# KiCad board FrontEnd_5G.kicad_pcb (continued)
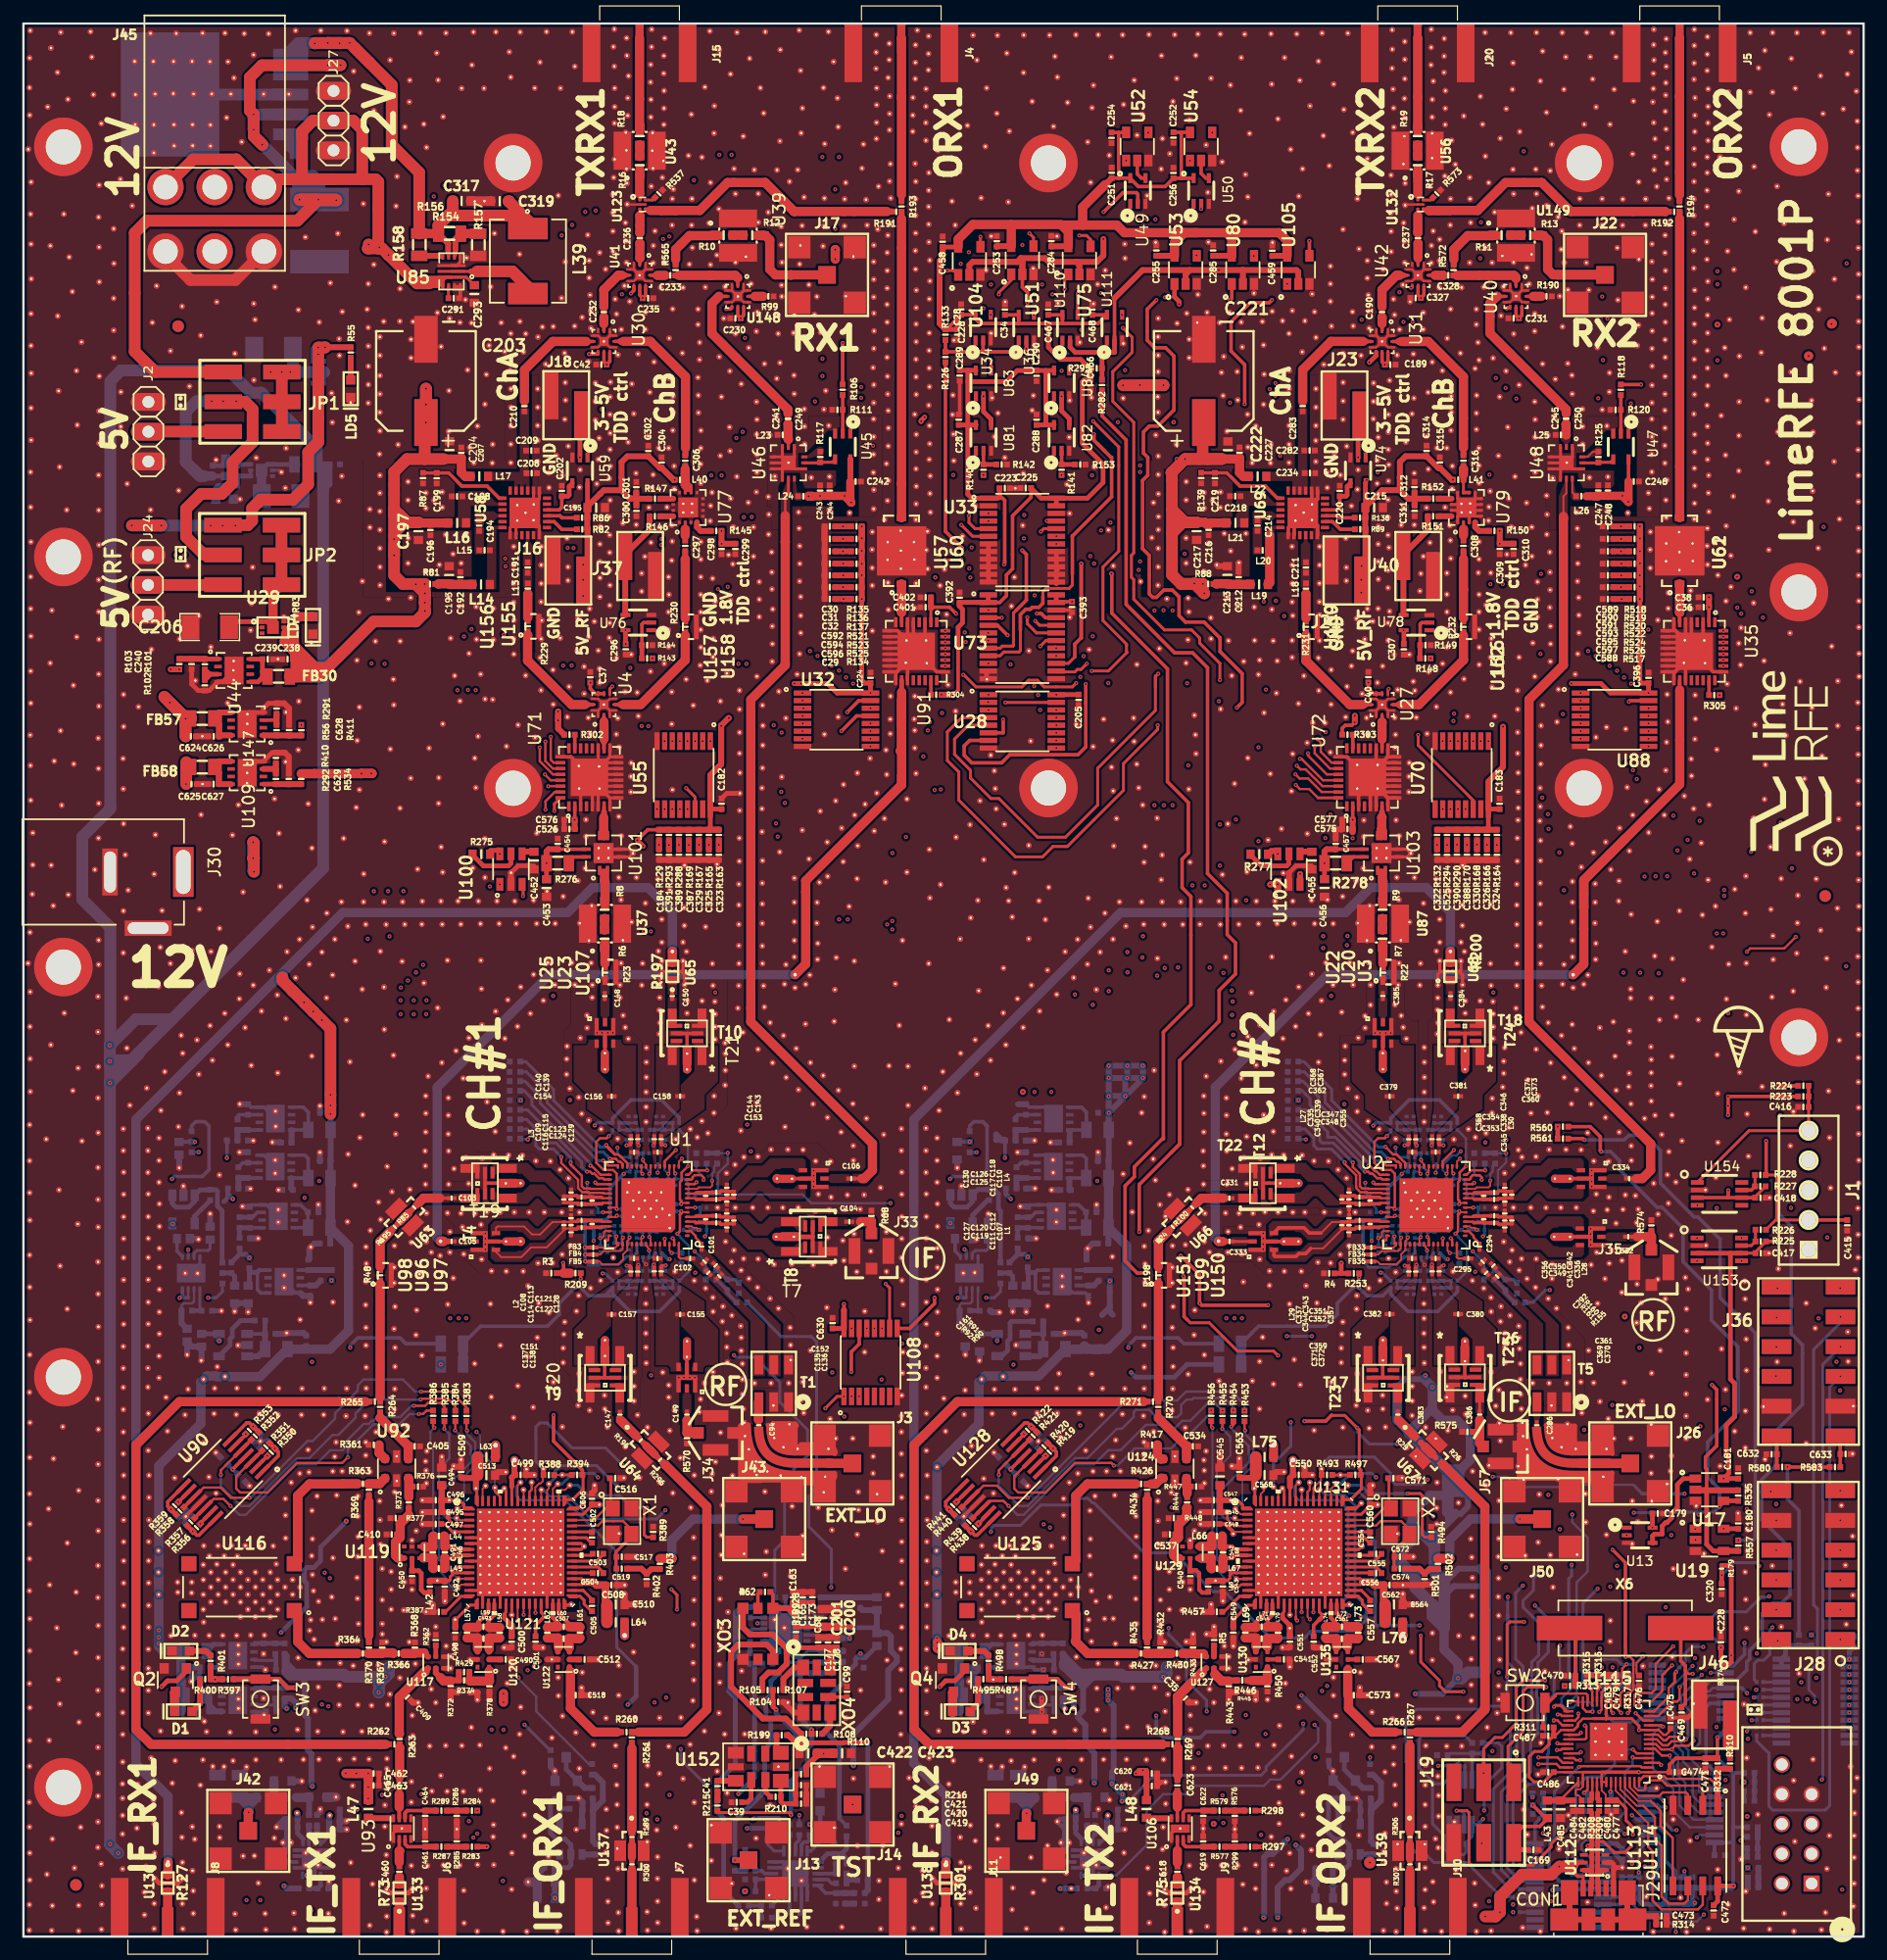
[diagram p0: board, top side]
## Routing (per net, layer and track width the routed paths; a pad name or vN(x,y) marks a point on that pad's centre or on a via; arc(x,y) is an arc through that point) (continued)
  F.RO w0.3: C461.1 32.81,7.67 32.59,7.89 U93.3
  F.RO w0.5: C461.1 R287.2
Net-(C464-Pad2): length 3.9
  F.RO w0.3: 32.77,10.75 32.59,10.57 ; 32.77,10.75 32.59,10.57 ; 32.77,10.75 C464.2 ; 32.59,10.57 U93.6 32.59,10.57
  F.RO w0.5: C464.2 R289.2
Net-(C465-Pad2): length 3.3
  F.RO w0.3: C465.2 32.09,12.14 ; 32.09,11.04 U93.7 32.09,11.04
  F.RO w0.79: 32.09,12.14 32.09,11.04
Net-(C470-Pad1): length 5.1
  F.RO w0.3: C470.1 132.51,25.84 X6.2
  F.RO w0.5: R313.2 C470.1
Net-(C473-Pad1): length 13.7
  F.RO w0.5: CON1.6 136.95,1.9 CON1.6 ; CON1.6 137.7,1.75 C473.1 R314.1 ; CON1.6 CON1.6 CON1.6 CON1.6 132.02,1.9 CON1.6
Net-(C484-Pad2): length 4.4
  F.RO w0.2: U115.43 131.25,11.68
  F.RO w0.25: 131.25,11.68 C485.2
  F.RO w0.5: C484.2 C485.2 L43.2
Net-(C488-Pad1): length 5.7
  B2.RO w0.3: 90.75,64.75 FB54.2 ; FB54.2 90.76,66.4 90.48,66.69 U140.5 ; FB54.2 90.75,64.74 U140.8 89.32,64.58 ; 89.32,63.71 89.32,63.71
  B2.RO w0.5: 89.32,63.71 89.32,63.71 89.32,64.58
Net-(C489-Pad1): length 5.6
  B2.RO w0.3: FB55.2 90.77,70.35 90.35,70.77 ; FB55.2 90.76,68.84 ; FB55.2 89.34,68.84 U142.8 89.33,68.68 ; 90.35,70.77 90.33,70.78 ; 90.35,70.77 89.35,70.77 U142.5 ; 89.33,67.87 89.33,67.86
  B2.RO w0.5: 89.33,67.86 89.33,67.87 89.33,68.68
Net-(C490-Pad1): length 1
  F.RO w0.5: U120.2 C490.1
Net-(C491-Pad1): length 2.9
  F.RO w0.35: C491.1 34.91,33.28 U119.4
  F.RO w0.79: L44.2 34.96,34.13 C491.1 34.31,33.24 34.24,33.31
Net-(C491-Pad2): length 2.9
  F.RO w0.35: C491.2 34.91,32.29 U119.3
  F.RO w0.79: L45.2 34.96,31.46 C491.2 34.19,32.34 34.16,32.31
Net-(C493-Pad1): length 2.2
  F.RO w0.5: 38.78,25.37 C493.1 ; U120.4 38.78,24.57
  F.RO w0.79: L57.2 38.77,25.49 C493.1 38.78,25.37 38.78,24.57
Net-(C493-Pad2): length 2.1
  F.RO w0.5: 39.77,25.39 C493.2 ; U120.3 39.77,24.54
  F.RO w0.79: L58.2 39.78,25.48 C493.2 39.77,25.39 39.77,24.54
Net-(C502-Pad1): length 1.7
  F.RO w0.25: C502.1 48.52,34.54 U121.44
Net-(C502-Pad2): length 1.9
  F.RO w0.25: C502.2 48.48,33.61 48.05,34.04 U121.43
Net-(C503-Pad1): length 1.8
  F.RO w0.25: C503.1 48.48,32.54 U121.40
Net-(C503-Pad2): length 3
  F.RO w0.25: C503.2 49.51,32.61 48.94,32.04 U121.39
Net-(C504-Pad1): length 2.9
  F.RO w0.25: C504.1 49.51,31.09 49.06,31.54 U121.38
Net-(C504-Pad2): length 1.8
  F.RO w0.25: C504.2 48.59,31.04 U121.37
Net-(C505-Pad1): length 2.1
  F.RO w0.25: C505.1 48.55,28.79 47.8,29.54 U121.34
Net-(C505-Pad2): length 2.4
  F.RO w0.25: C505.2 48.49,27.77 47.88,28.38 47.88,28.69 47.53,29.04 U121.33
Net-(C507-Pad1): length 2.9
  F.RO w0.5: C507.1 46.63,25.38 U122.3
  F.RO w0.79: L61.1 47.47,25.43 C507.1 46.58,24.71 46.62,24.67
Net-(C507-Pad2): length 2.8
  F.RO w0.5: C507.2 45.64,25.38 U122.4
  F.RO w0.79: 45.66,24.72 45.68,24.74 C507.2 45.63,25.48 L62.1
Net-(C508-Pad2): length 13
  F.RO w0.2: 47.9,33.3 47.9,33.28 ; 47.42,33.54 47.36,33.54
  F.RO w0.25: U121.35 47.7,30.04 47.91,30.25 47.91,30.29 47.66,30.54 U121.36 ; U121.41 47.62,33.04 47.87,33.29 47.62,33.54 47.36,33.54 ; U121.42 47.42,33.54
  F.RO w0.51: 49.7,29.95 C508.2 ; C510.2 49.7,28.47
  F.RO w0.65: 49.7,28.47 49.7,29.95 ; 47.91,30.25 48.68,30.25 48.93,30 C508.2
  F.RO w1: C510.2 L64.2
  F.FR4 w0.76: 47.91,33.31 47.91,30.26
Net-(C509-Pad2): length 28
  F.RO w0.2: 43.4,38.76 43.4,38.14 43.21,37.95 U121.55
  F.RO w0.25: 38.64,38.25 38.71,38.18 U121.64 ; U121.48 47.36,36.54 47.79,36.97 47.79,36.98 ; U121.59 41.21,38 41.06,38.15 41.06,38.25
  F.RO w0.51: 38.64,38.25 38.64,39.24 C513.2 38.53,39.13 37.44,39.13 C509.2
  F.RO w1: L63.2 C513.2
  F.FR4 w0.25: 43.4,38.76 43.4,37.01 43.38,36.99 41.68,36.99 41.06,37.61 41.06,38.25
  F.FR4 w0.4: 40.81,39.01 40.41,39.41 38.8,39.41 38.64,39.25 38.64,38.25
  F.FR4 w0.51: 40.81,39.01 41.06,38.76 41.06,37.61 41.68,36.99 43.38,36.99 ; 43.38,36.99 47.79,36.99 ; 43.38,36.99 43.38,38.75
Net-(C511-Pad1): length 2.4
  B2.RO w0.79: R395.1 21.39,11.88 R393.2 C511.1
Net-(C511-Pad2): length 2.6
  B2.RO w0.5: R396.1 C514.1
  B2.RO w0.79: C511.2 24.36,11.87 R396.1
Net-(C512-Pad2): length 0.8
  F.RO w0.5: U122.2 C512.2
Net-(C514-Pad2): length 1.5
  B2.RO w0.3: 24.38,9.47 C514.2 ; IC1.2 24.38,8.82
  B2.RO w0.5: C514.2 24.38,9.47 24.38,8.82
Net-(C515-Pad2): length 1.5
  B2.RO w0.3: 25.07,8.74 24.88,8.55 IC1.3
  B2.RO w0.5: C515.2 25.07,8.74
Net-(C516-Pad1): length 6.7
  F.RO w0.15: 50.15,36.33 50.15,37.39 ; U121.46 48.7,35.54
  F.RO w0.2: 48.7,35.54 49.71,36.55 X1.1
  F.RO w0.25: 50.15,37.39 50.15,39.05 C516.1
Net-(C517-Pad1): length 9.6
  F.RO w0.15: 49.06,35.08 46.88,35.08 U121.45
  F.RO w0.2: 49.06,35.08 49.43,35.45 51.21,35.45 51.92,34.74 X1.3
  F.RO w0.25: 50.58,31.38 50.58,32.35 C517.1 50.58,32.47 50.58,32.81 52.15,34.38
Net-(C524-Pad2): length 0.8
  B2.RO w0.3: IC1.14 23.22,6.38 C524.2
Net-(C535-Pad1): length 2.8
  B2.RO w0.3: U141.1 85.8,60.5 C535.1
  B2.RO w0.4: C535.1 R241.1 84.9,60.48 R365.1
Net-(C536-Pad2): length 8.2
  B2.RO w0.5: 115.07,10.49 115.07,8.13 R424.2 ; 115.07,10.49 C536.2 115.92,11.62 115.92,13.14 115.24,13.82 R452.2 ; 115.07,10.49 115.07,11.75 R449.2
Net-(C537-Pad1): length 9.4
  F.RO w0.25: C537.1 98.61,34.06 98.63,34.06 98.23,33.66 98.23,32.72 98.65,32.3 U129.1 ; R448.2 99.18,35.71 99.37,35.9 R444.1
  F.RO w0.79: 98.68,32.27 98.5,32.27 98.23,32.54 98.23,33.66 98.63,34.06 98.63,35.16 99.33,35.86 99.33,36.57 R444.1
Net-(C540-Pad1): length 4.3
  F.RO w0.35: L65.2 101.09,29.35 100.66,29.35 100.4,29.61 100.4,31.01 100.15,31.26 99.68,31.26 C540.1 U129.2
Net-(C541-Pad1): length 1
  F.RO w0.35: U130.2 C541.1
Net-(C542-Pad1): length 3.2
  F.RO w0.5: L66.2 101.41,34.13 C542.1 101.35,33.3 ; 100.29,33.28 100.3,33.3 100.51,33.3
  F.RO w0.79: L66.2 101.47,33.3 C542.1 101.35,33.3 100.51,33.3
Net-(C542-Pad2): length 2.3
  F.RO w0.5: 101.41,31.45 L67.2 ; U129.3 100.3,32.29 100.57,32.29 ; C542.2 101.36,32.29
  F.RO w0.79: L67.2 101.41,31.45 C542.2 101.36,32.29 100.57,32.29
Net-(C544-Pad1): length 2.2
  F.RO w0.5: 105.28,24.82 105.23,24.78 U130.4
  F.RO w0.79: 105.24,24.78 105.28,24.82 C544.1 105.22,25.49 L69.2
Net-(C544-Pad2): length 2.8
  F.RO w0.35: C544.2 106.23,25.38 U130.3
  F.RO w0.79: L70.2 107.08,25.43 C544.2 106.18,24.8 106.23,24.75
Net-(C553-Pad1): length 2.4
  B2.RO w0.79: R492.1 R491.2 C553.1
Net-(C553-Pad2): length 2.6
  B2.RO w0.4: 90.83,10.86 C558.1
  B2.RO w0.65: R496.1 90.83,10.86
  B2.RO w0.79: C553.2 90.8,11.87 R496.1
Net-(C554-Pad1): length 1.7
  F.RO w0.25: C554.1 114.97,34.54 U131.44
Net-(C554-Pad2): length 1.9
  F.RO w0.25: C554.2 114.92,33.61 114.49,34.04 U131.43
Net-(C555-Pad1): length 1.8
  F.RO w0.25: C555.1 114.94,32.54 U131.40
Net-(C555-Pad2): length 3
  F.RO w0.25: C555.2 115.96,32.62 115.38,32.04 U131.39
Net-(C556-Pad1): length 2.9
  F.RO w0.25: C556.1 115.96,31.09 115.51,31.54 U131.38
Net-(C556-Pad2): length 1.8
  F.RO w0.25: U131.37 115.04,31.04 C556.2
Net-(C557-Pad1): length 2.1
  F.RO w0.25: C557.1 115,28.79 114.25,29.54 U131.34
Net-(C557-Pad2): length 2.4
  F.RO w0.25: C557.2 114.94,27.77 114.33,28.38 114.33,28.69 113.98,29.04 U131.33
Net-(C558-Pad2): length 1.5
  B2.RO w0.3: 90.83,8.87 IC2.2
  B2.RO w0.5: C558.2 90.83,8.87
Net-(C559-Pad2): length 1.5
  B2.RO w0.3: 91.51,8.76 91.33,8.58 IC2.3
  B2.RO w0.5: C559.2 91.51,8.76
Net-(C561-Pad1): length 2.8
  F.RO w0.4: C561.1 113.08,25.36 U135.3
  F.RO w0.79: L73.1 113.91,25.42 C561.1 113.03,24.8 113.07,24.76
Net-(C561-Pad2): length 2.8
  F.RO w0.4: C561.2 112.1,25.38 U135.4
  F.RO w0.79: L74.1 111.26,25.42 C561.2 112.13,24.77 112.12,24.76
Net-(C562-Pad2): length 12.9
  F.RO w0.25: U131.41 113.29,33.03 114.02,33.03 114.29,33.3 114.05,33.54 U131.42 ; U131.35 114.15,30.04 114.38,30.27 114.38,30.28 114.12,30.54 U131.36
  F.RO w0.65: C564.2 116.15,28.47 116.15,29.95 C562.2 115.36,30 115.11,30.25 114.36,30.25
  F.RO w1: C564.2 L76.2
  F.FR4 w0.76: 114.36,30.25 114.37,30.26 114.37,33.3
Net-(C563-Pad2): length 22.4
  F.RO w0.2: 109.84,38.75 109.84,38.14 109.65,37.95 U131.55
  F.RO w0.25: 105.1,38.25 105.15,38.2 U131.64 ; 107.5,38.25 107.65,38.1 U131.59 ; 114.24,36.98 114.23,36.98 113.79,36.54 U131.48
  F.RO w0.51: 105.1,38.25 105.1,39.26 C568.2 104.98,39.14 103.89,39.14 C563.2
  F.RO w1: L75.2 C568.2
  F.FR4 w0.4: 107.5,38.25 107.5,38.76 107.24,39.02 105.35,39.02 105.1,38.77 105.1,38.25
  F.FR4 w0.51: 109.81,36.97 108.15,36.97 107.5,37.62 107.5,38.25 ; 109.81,36.97 109.81,36.94 109.82,36.95 109.82,38.73 109.84,38.75 ; 109.81,36.97 114.23,36.97 114.24,36.98
Net-(C567-Pad2): length 0.8
  F.RO w0.35: U135.2 C567.2
Net-(C571-Pad1): length 6.7
  F.RO w0.15: 116.6,36.35 116.6,37.39 ; U131.46 115.15,35.54
  F.RO w0.2: 115.15,35.54 116.16,36.55 X2.1
  F.RO w0.25: C571.1 116.6,39.05 116.6,37.39
Net-(C572-Pad1): length 9.6
  F.RO w0.15: 118.36,34.74 X2.3 ; U131.45 113.32,35.08 115.51,35.08
  F.RO w0.2: 115.51,35.08 115.88,35.45 117.65,35.45 118.36,34.74
  F.RO w0.25: C574.2 117.03,31.45 117.03,32.35 C572.1 117.03,32.47 117.03,32.81 118.6,34.38 118.6,34.39
Net-(C582-Pad2): length 0.8
  B2.RO w0.3: C582.2 IC2.14
Net-(C606-Pad1): length 2.7
  B2.RO w0.3: U140.1 85.62,64.74 C606.1 ; R243.1 84.82,64.74
  B2.RO w0.5: R404.1 R243.1 ; 84.82,64.74 C606.1
Net-(C607-Pad1): length 2.8
  B2.RO w0.3: U142.1 85.6,68.84 C607.1
  B2.RO w0.5: C607.1 R254.1 R409.1
Net-(C608-Pad1): length 2.6
  B2.RO w0.3: 84.09,56.63 R562.1
  B2.RO w0.4: R562.1 R412.1 84.48,56.35 C608.1
Net-(C610-Pad2): length 4.6
  B2.RO w0.2: R559.1 79.94,53.85 80.12,54.03 80.84,54.03 81.01,54.2 U144.6
  B2.RO w0.5: C610.2 79.94,52.34 R559.1
Net-(C611-Pad1): length 6
  B2.RO w0.3: 85.8,55.72 C611.1 ; U143.5 86.7,54.93 86.42,55.21 86.42,56.71 86.58,56.87 87.32,56.87 U143.8
  B2.RO w0.4: 86.42,56.68 85.9,56.68 85.8,56.58 ; 85.8,56.58 85.8,55.72 C611.1 ; 85.8,56.58 85.76,56.62 R556.1
Net-(C612-Pad1): length 5.9
  B2.RO w0.3: 85.53,51.43 C612.1 87.07,51.42 87.07,50.14 87.09,50.12
  B2.RO w0.5: 85.53,49.53 86.77,49.53 87.08,49.84 87.08,50.13 ; C612.1 R20.2
Net-(C613-Pad1): length 1.7
  B2.RO w0.3: U144.1 79.55,58.5 C613.1
Net-(C615-Pad1): length 2.7
  B2.RO w0.3: 90.08,56.88 C615.1
  B2.RO w0.5: C615.1 R566.1 91.83,56.89 R571.1
Net-(C616-Pad2): length 2.6
  B2.RO w0.25: C616.2 82.39,58.73 82.21,58.55 81.27,58.55 81.01,58.29 U144.3
Net-(C618-Pad1): length 2.3
  F.RO w0.3: C618.1 98.53,5.99 98.53,6.31 ; U106.2 98.53,7.33
  F.RO w0.79: 98.53,6.31 98.53,7.33
Net-(C619-Pad1): length 3.2
  F.RO w0.3: C619.1 99.25,7.67 99.03,7.89 U106.3
  F.RO w0.5: C619.1 R577.2
Net-(C622-Pad2): length 3.2
  F.RO w0.3: U106.6 99.03,10.57 99.21,10.75 C622.2
  F.RO w0.5: C622.2 R579.2
Net-(C623-Pad2): length 2.4
  F.RO w0.3: 98.53,12.18 C623.2 ; U106.7 98.53,11.05
  F.RO w0.79: 98.53,12.18 98.53,11.05
Net-(C626-Pad1): length 7.4
  F.RO w0.5: C626.1 16.7,103.47 FB57.2 ; C626.1 16.79,102.51 ; C626.1 16.79,102.51 ; C626.1 16.7,104.45 16.72,104.46 ; 16.79,102.51 U147.8 ; 16.72,104.46 FB57.2 ; 16.72,104.46 FB57.2 ; 16.72,104.46 U147.5
Net-(C627-Pad1): length 6.4
  F.RO w0.5: C627.1 16.69,99.35 FB58.2 16.71,100.3 ; C627.1 16.69,100.28 16.71,100.3 ; C627.1 16.69,98.35 U109.8 ; 16.71,100.3 U109.5
Net-(C628-Pad1): length 3.3
  F.RO w0.5: U147.1 20.48,102.51 R56.1 C628.1 22.69,102.5 23.73,102.5
Net-(C629-Pad1): length 3.2
  F.RO w0.4: R292.1 21.56,98.35 U109.1
  F.RO w0.5: R534.1 C629.1 R292.1
Net-(C632-Pad1): length 2.7
  F.RO w0.3: J36.6 149.73,42.69 R580.1
Net-(C633-Pad1): length 2.7
  F.RO w0.3: J36.12 155.14,42.7 R583.2
Net-(C634-Pad1): length 4.2
  B2.RO w0.4: R594.2 R595.2 C634.1 150.47,24.03 U38.24 U38.23
Net-(D1-Pad1): length 3
  F.RO w0.5: R400.1 15.08,19.89 D1.1
Net-(D1-Pad2): length 1.7
  F.RO w0.79: D1.2 12.9,20.82 Q2.3
Net-(D2-Pad1): length 2
  F.RO w0.5: R401.1 15.59,24.37 D2.1
Net-(D3-Pad1): length 3
  F.RO w0.5: D3.1 81.52,19.89 R495.1
Net-(D3-Pad2): length 1.8
  F.RO w0.79: Q4.3 79.34,20.81 79.34,19.12
Net-(D4-Pad1): length 1.9
  F.RO w0.5: D4.1 82.03,24.37 R498.1
Net-(IC1-Pad9): length 1.9
  B2.RO w0.4: R398.1 R399.2 25.38,4.37 IC1.9
Net-(IC2-Pad9): length 1.9
  B2.RO w0.4: R499.1 R500.2 91.83,4.38 IC2.9
Net-(J2-Pad2): length 6.4
  F.RO w1: JP1.5 10.68,128.44 J2.2
Net-(J4-Pad1): length 22.4
  F.RO w0.5: 74.96,157.01 74.98,156.99 R193.1
  F.RO w0.79: 74.96,157.01 74.98,156.99 74.98,156.9 ; 74.98,156.9 74.98,161.99 J4.1 ; 74.98,156.9 74.98,148.67
Net-(J5-Pad1): length 14.7
  F.RO w0.5: 141.41,149.37 R194.1
  F.RO w0.79: 141.41,156.99 141.42,157 ; 141.41,156.99 141.41,148.64 ; 141.41,156.99 141.41,161.99 J5.1
Net-(J6-Pad1): length 1.7
  F.RO w0.5: 32.1,1.28 32.09,1.27
  F.RO w0.79: 32.09,1.27 32.1,1.28 R73.2
Net-(J7-Pad1): length 4.3
  F.RO w0.79: 51.95,1.27 51.96,1.28 U137.3
Net-(J8-Pad1): length 2.6
  F.RO w0.79: R127.1 12.32,1.27
Net-(J9-Pad1): length 1.7
  F.RO w0.79: 98.53,1.27 R75.2
Net-(J10-Pad1): length 4.3
  F.RO w0.79: U139.3 118.39,1.27
Net-(J11-Pad1): length 2.6
  F.RO w0.79: R301.1 78.76,1.27
Net-(J15-Pad1): length 7.7
  F.RO w0.79: U43.3 52.61,154.32 J15.1
Net-(J17-Pad1): length 8.6
  F.RO w0.79: U148.3 63.37,145.16 63.73,144.8 63.73,142.29 64.21,141.81 65.53,141.81 65.53,141.79 65.55,141.81 J17.1
Net-(J20-Pad1): length 7.6
  F.RO w0.79: 119.05,157 119.06,157 119.06,156.96 ; 119.06,156.96 119.06,162 J20.1 ; 119.06,156.96 R19.1
Net-(J22-Pad1): length 16.9
  F.RO w0.79: 135.1,141.82 130.93,141.82 131.04,141.82 ; 135.12,141.83 135.11,141.82 131.04,141.82 ; 131.04,141.82 135.04,141.82 J22.1 ; 131.04,141.82 130.62,141.82 130.15,142.29 130.15,144.81 129.8,145.16 U149.3
Net-(J24-Pad2): length 6.4
  F.RO w1: JP2.5 17.02,115.35 J24.2
Net-(J37-Pad1): length 9.3
  F.RO w0.5: R146.2 53.47,120.05 51.39,117.97 J37.1 51.39,112.81 U76.4
Net-(J40-Pad1): length 9.3
  F.RO w0.5: 117.85,112.83 117.83,112.84 117.83,117.96 119.93,120.05 R151.2
Net-(J42-Pad1): length 8.1
  F.RO w0.79: 19.21,9.03 J42.1 19.2,10.57 v2(19.23,10.6)
  B2.RO w0.79: R392.1 18.49,11.87 R393.1 19.9,11.84 19.23,11.17 v2(19.23,10.6) 19.23,11.13 R392.1 ; R392.1 R390.1
Net-(J43-Pad1): length 11.3
  F.RO w0.79: 55.36,32.26 55.37,32.25 ; 55.36,32.26 55.37,32.25 ; 55.36,32.26 R403.1 ; 55.37,32.25 v2(55.37,32.25) ; J43.1 v2(61.43,35.63)
  B2.RO w0.79: v2(61.43,35.63) 57.16,35.63 55.37,33.84 v2(55.37,32.25)
Net-(J49-Pad1): length 7.5
  F.RO w0.79: v2(85.67,10.52) 85.64,10.49 J49.1 85.65,9.03
  B2.RO w0.79: 83.01,11.87 R458.1 R472.1 ; R472.1 84.94,11.87 R491.1 86.34,11.81 85.65,11.12 ; R472.1 85.65,11.16 85.65,11.12 ; 85.65,11.12 85.65,10.54 v2(85.67,10.52)
Net-(J50-Pad1): length 12.3
  F.RO w0.79: 121.77,32.25 121.8,32.25 120.8,32.25 R502.1 121.76,32.26 121.77,32.25 ; 121.77,32.25 v2(121.79,32.25) ; v2(127.77,35.64) 129.67,35.64 J50.1
  B2.RO w0.79: v2(127.77,35.64) 123.56,35.64 121.79,33.87 v2(121.79,32.25)
Net-(L19-Pad2): length 4.3
  F.RO w0.4: 106.26,115.4 L19.2
  F.RO w0.79: 106.42,119.61 106.42,115.55 L19.2
Net-(L26-Pad2): length 1.6
  F.RO w0.15: L26.2 132.26,123.25 U48.9
Net-(L39-Pad2): length 8.7
  F.RO w0.25: U85.2 38.23,142.11
  F.RO w0.5: 38.74,142.11 38.23,142.11
  F.RO w1: 38.74,142.11 41.75,142.11 ; 41.75,142.11 42.5,141.36 ; 41.75,142.11 42.5,141.36 ; L39.2 43.08,140.78 42.5,141.36
Net-(L44-Pad1): length 3.2
  F.RO w0.35: L46.1 36.04,33.3 36.74,33.3 37,33.04 U121.8
  F.RO w0.79: L44.1 35.98,34.13 L46.1
Net-(L45-Pad1): length 3.2
  F.RO w0.35: L46.2 36.03,32.29 36.75,32.29 37,32.54 U121.9
  F.RO w0.79: L45.1 35.98,31.48 L46.2
Net-(L47-Pad2): length 4.1
  F.RO w0.3: L47.2 29.5,10.09 U93.8
  F.RO w0.5: 31.34,10.09 31.34,10.1 29.5,10.1 L47.2
Net-(L48-Pad2): length 2.2
  F.RO w0.3: 95.86,10.09 95.84,10.12 ; U106.8 97.83,10.09
  F.RO w0.5: 95.84,10.12 95.86,10.09 97.83,10.09
Net-(L57-Pad1): length 3.3
  F.RO w0.35: U121.19 39.71,27.72 38.83,26.84 L59.1
  F.RO w0.79: L57.1 38.78,26.39 L59.1
Net-(L58-Pad1): length 3.1
  F.RO w0.35: U121.20 40.21,27.45 39.73,26.97 L59.2
  F.RO w0.79: L58.1 39.79,26.38 L59.2
Net-(L60-Pad1): length 3.3
  F.RO w0.35: L60.1 46.59,26.69 45.71,27.57 U121.31
  F.RO w0.79: L61.2 47.48,26.44 L60.1
Net-(L60-Pad2): length 3.1
  F.RO w0.35: L60.2 45.69,26.72 45.21,27.2 U121.30
  F.RO w0.79: L62.2 44.8,26.44 L60.2
Net-(L66-Pad1): length 4.2
  F.RO w0.25: 103.51,33.04 103.44,33.04 ; 102.48,33.29 L68.1
  F.RO w0.35: 103.44,33.04 103.19,33.29 102.48,33.29 ; U131.8 103.51,33.04
  F.RO w0.5: L66.1 102.43,34.13 L68.1
  F.RO w0.79: L68.1 102.37,33.3 L66.1
Net-(L67-Pad1): length 3.3
  F.RO w0.25: 102.48,32.29 L68.2
  F.RO w0.35: 102.48,32.29 103.19,32.29 103.44,32.54 U131.9
  F.RO w0.4: 102.48,32.29 L68.2
  F.RO w0.5: 102.43,31.45 L67.1
  F.RO w0.79: L67.1 102.43,31.45 L68.2
Net-(L69-Pad1): length 3.4
  F.RO w0.35: L71.1 105.21,26.51 105.21,26.79 106.15,27.73 U131.19
  F.RO w0.79: L71.1 105.23,26.39 L69.1
Net-(L70-Pad1): length 3.1
  F.RO w0.35: L71.2 106.24,26.5 106.24,27.06 106.65,27.47 U131.20
  F.RO w0.79: L70.1 107.07,26.44 L71.2
Net-(L72-Pad1): length 3.3
  F.RO w0.35: L72.1 113.04,26.69 112.15,27.58 U131.31
  F.RO w0.79: L73.2 113.93,26.44 L72.1
Net-(L72-Pad2): length 3.1
  F.RO w0.35: L72.2 112.02,26.56 112.02,26.82 111.65,27.19 U131.30
  F.RO w0.79: L74.2 111.24,26.44 L72.2
Net-(LD1-Pad1): length 2
  B2.RO w0.4: LD1.1 16.44,123.63 16.64,123.83 R51.2
Net-(LD4-Pad1): length 1.4
  F.RO w0.79: LD4.1 24.71,112.63 R83.2
Net-(LD5-Pad1): length 1.9
  F.RO w0.5: LD5.1 R55.2
Net-(LD6-Pad1): length 1.2
  B2.RO w0.4: R67.2 68.03,9.57 LD6.1
Net-(Q1-Pad1): length 4
  B2.RO w0.4: Q1.1 47.3,13.31 46.35,14.26 Q1.3
  B2.RO w0.5: Q1.1 47.92,12.68 R380.1
Net-(Q3-Pad1): length 4
  B2.RO w0.4: Q3.1 112.79,14.26 Q3.3
  B2.RO w0.5: R449.1 114.37,12.68 Q3.1
Net-(R2-Pad1): length 1.6
  F.RO w0.15: v2(55.36,58.34) 55.16,58.54 U1.54
  B2.RO w0.15: v2(55.36,58.34) 55.37,58.33 R2.1
Net-(R5-Pad2): length 1
  F.RO w0.5: R5.2 101.66,24.84 U127.5
Net-(R6-Pad1): length 1
  F.RO w0.79: R6.1 49.62,86.87 R8.2
Net-(R7-Pad1): length 1
  F.RO w0.79: R9.2 116.05,86.87 R7.1
Net-(R10-Pad1): length 0.9
  F.RO w0.79: R12.2 R10.1
Net-(R10-Pad2): length 6.7
  F.RO w0.4: 56.13,144.42 56.06,144.35
  F.RO w0.5: 56.06,144.35 55.69,143.98 R565.1
  F.RO w0.79: U148.1 56.87,145.16 55.69,143.98 55.69,143.14
Net-(R11-Pad1): length 0.9
  F.RO w0.79: R11.1 R13.2
Net-(R11-Pad2): length 7.3
  F.RO w0.4: 122.58,144.41 122.51,144.34
  F.RO w0.5: 122.51,144.34 122.14,143.97 122.14,142.66
  F.RO w0.79: 122.14,143.13 122.14,143.97 ; 122.14,143.97 122.58,144.41 ; 122.14,143.97 123.33,145.16 U149.1
Net-(R14-Pad1): length 5
  B2.RO w0.4: U16.4 17.65,50.48 17.65,51.01 17.83,51.19 17.83,51.86 18.54,52.57 R14.1
Net-(R15-Pad1): length 2.5
  B2.RO w0.4: 14.62,60.9 14.61,60.89 ; U9.4 14.62,61.48 15.94,62.8 R15.1
Net-(R15-Pad2): length 12
  B2.RO w0.4: 14.61,63.29 14.61,62.73 14.13,62.25 13.02,62.25 12.71,62.56 12.71,63.29 ; R38.2 16.97,57.54 16.97,61.94 16.57,62.34 16.57,63.61 16.44,63.74 R15.2 15.92,63.72 15.08,63.72 U9.3
Net-(R16-Pad1): length 1
  F.RO w0.79: R18.2 R16.1
Net-(R16-Pad2): length 2.2
  F.RO w0.25: 52.63,148.84 52.64,148.84 U123.1
  F.RO w0.79: 52.62,150.3 52.62,148.75 52.64,148.73
Net-(R17-Pad1): length 1
  F.RO w0.79: R19.2 R17.1
Net-(R17-Pad2): length 4.1
  F.RO w0.25: R17.2 U56.1 119.07,150.5 U132.1
  F.RO w0.79: R17.2 119.07,150.42 119.07,148.71
Net-(R20-Pad1): length 5.5
  B2.RO w0.4: R20.1 84.37,52.5 84.25,52.38 84.25,51.02 84.04,50.81 84.04,50.02 83.56,49.54 U145.4
Net-(R21-Pad1): length 2.6
  B2.RO w0.4: U146.4 81.05,61.56 82.34,62.85 R21.1
  B2.RO w0.5: 81.06,60.9 U146.4
Net-(R21-Pad2): length 12.1
  B2.RO w0.3: U146.3 81.08,63.32
  B2.RO w0.4: R563.2 83.43,61.93 83.26,62.1 83.26,63.4 82.91,63.75 R21.2 81.51,63.75 U146.3 81.05,62.72 80.58,62.25 79.46,62.25 79.15,62.56 U146.1
Net-(R22-Pad2): length 1.5
  F.RO w0.79: U87.1 116.08,84.53 U3.2
Net-(R23-Pad2): length 1.5
  F.RO w0.79: U37.1 49.66,84.53 U23.2
Net-(R25-Pad1): length 1.8
  F.RO w0.5: R25.1 119.33,42.14 119.68,41.78 ; R26.2 120.26,41.21
  F.RO w0.79: 119.68,41.78 120.26,41.21
Net-(R27-Pad2): length 3
  B2.RO w0.25: 21.55,19.77 19.76,19.77 19.69,19.84
  B2.RO w0.4: R27.2 21.51,19.96 21.55,19.92 21.55,19.28 R28.1
Net-(R29-Pad2): length 1.9
  B2.RO w0.3: U8.3 24.47,55.58 R30.1
  B2.RO w0.5: R30.1 24.97,55.57 R29.2
Net-(R31-Pad2): length 2.1
  B2.RO w0.3: R32.1 19.57,61.39 19.97,61.8 20.39,61.8
  B2.RO w0.4: R32.1 R31.2
Net-(R33-Pad2): length 2.2
  B2.RO w0.3: R33.2 18.28,69.99 18.42,70.13 R34.1 19.18,70.14 20.14,70.14
Net-(R35-Pad2): length 1.9
  B2.RO w0.3: R35.2 18.74,66.04 R36.1 19.19,66.03 U6.3
Net-(R37-Pad2): length 8.2
  F.FR4 w0.25: v2(13.34,54.5) 15.75,54.5 v2(15.77,54.52)
  B2.RO w0.2: 14.07,54.59 14.07,55.2
  B2.RO w0.25: 13.74,54.52 13.67,54.52 13.57,54.62 13.57,55.2 13.57,54.73 13.33,54.49 ; 14,54.52 14.07,54.59 ; v2(15.77,54.52) 16.38,54.52 16.33,54.52 16.47,54.52 16.99,55.04 R37.2 ; 13.33,54.49 v2(13.34,54.5) ; 13.33,54.49 13.98,54.49 14.07,54.58 14.07,54.52
  B2.RO w0.3: 14,54.52 14.07,54.52 13.74,54.52
Net-(R39-Pad2): length 9.9
  B.FR4 w0.3: v2(14.97,66.96) 14.97,63.22 14.07,62.32 v2(14.07,58.63)
  B2.RO w0.25: U10.2 v2(14.07,58.63)
  B2.RO w0.3: 14.96,66.94 14.97,66.95 14.95,66.93 R39.2
Net-(R40-Pad2): length 13.5
  B.FR4 w0.3: v2(12.74,60.82) 12.68,60.88 v2(12.68,64.66)
  B2.RO w0.3: v2(12.68,64.66) 12.89,64.87 15.28,64.87 15.85,65.44 15.85,69.17 15.48,69.54 14.72,69.54 14.36,69.18 R40.2 ; 12.71,60.89 12.82,60.78
Net-(R41-Pad1): length 2.7
  B2.RO w0.25: R41.1 15.07,53.55 15.07,55.2
  B2.RO w0.4: R41.1 15.2,53.42 R45.2
Net-(R43-Pad2): length 3.3
  B2.RO w0.25: 21.55,23.57 19.76,23.57 U94.3
  B2.RO w0.4: 21.56,23.58 21.56,24.07 R43.2 ; 21.56,23.58 R44.1 ; 21.56,23.58 21.55,23.57
Net-(R62-Pad2): length 1.5
  F.RO w0.3: R62.2 62.71,29.25 62.71,28.02 XO3.6
Net-(R67-Pad1): length 2
  B2.RO w0.3: U18.15 67.22,7.3 68.04,8.12 R67.1
Net-(R69-Pad2): length 2.1
  B2.RO w0.25: U18.11 64.11,7.3 63.54,7.87 R69.2
Net-(R70-Pad2): length 1.7
  B2.RO w0.3: U18.19 68.69,4.87 69.01,4.55 R70.2
Net-(R77-Pad1): length 1.5
  B2.RO w0.3: U18.13 65.93,7.92 66.25,8.24 R77.1
Net-(R78-Pad1): length 1.8
  B2.RO w0.3: U18.14 66.43,7.83 66.67,8.07 66.96,8.07 67.13,8.24 R78.1
Net-(R82-Pad1): length 2.8
  F.RO w0.3: 47.27,120.09 45.98,120.09 45.32,120.75 U58.8
Net-(R86-Pad1): length 2.6
  F.RO w0.3: 47.25,121.08 45.99,121.08 45.82,121.25 U58.9
Net-(R89-Pad1): length 2.8
  F.RO w0.3: 113.73,120.09 112.45,120.09 111.79,120.75 111.17,120.75
Net-(R99-Pad2): length 1.2
  F.RO w0.3: U39.11 62.47,139.98
  F.RO w0.79: R99.2 62.47,139.98
Net-(R100-Pad2): length 1.8
  F.RO w0.5: 99.3,61.73 R100.2 ; R24.1 98.7,61.13
  F.RO w0.7: 98.7,61.13 99.3,61.73
Net-(R101-Pad2): length 2.9
  F.RO w0.4: 15.99,107.73 R102.2 ; 15.99,107.73 U44.3 ; 15.99,107.73 15.9,107.73 R101.2
  F.RO w0.5: R101.2 R102.2
Net-(R105-Pad2): length 11
  F.RO w0.5: R105.2 63.09,22 63.63,22.54 64.45,22.54 65.17,23.26 65.17,24.59 63.98,25.78 62.03,25.78 61.44,26.37 XO3.1
Net-(R106-Pad2): length 3.3
  F.RO w0.3: R106.2 69.96,131.55 R111.2 U45.2
Net-(R107-Pad2): length 3.1
  F.RO w0.5: 66.59,22.97 65.86,22.97 64.89,22 R107.2
Net-(R108-Pad1): length 15.4
  F.RO w0.5: R108.1 66.4,17.3 65.09,18.61 63.14,18.61 60.42,21.33 60.42,24.31 61.03,24.92 63.47,24.92 63.99,24.4 XO3.4
Net-(R110-Pad1): length 2.1
  F.RO w0.5: R110.1 68.89,17.99 XO4.6
Net-(R114-Pad1): length 3.3
  B2.RO w0.25: U21.17 65.56,24.02 65.79,23.79 66.38,23.79 67,24.41 R114.1
Net-(R117-Pad2): length 2.8
  F.RO w0.25: U45.4 69.06,125.82 R117.2 67.99,125.77 U46.11
Net-(R118-Pad2): length 3.3
  F.RO w0.3: R118.2 136.4,131.56 R120.2 136.4,130.29 U47.2
Net-(R119-Pad1): length 1.3
  B2.RO w0.25: U21.3 62.22,26.23 R119.1
Net-(R121-Pad2): length 1.2
  B2.RO w0.25: R121.2 U21.5
Net-(R122-Pad2): length 2.4
  B2.RO w0.25: U21.10 66.94,28.08 67.8,27.22 R122.2
Net-(R125-Pad1): length 1.6
  F.RO w0.15: R125.1 134.01,126.71 133.58,126.28 133.11,126.28
Net-(R125-Pad2): length 2.8
  F.RO w0.25: 135.75,126.06 135.51,125.82 R125.2 134.43,125.77 133.12,125.77
Net-(R131-Pad1): length 1.6
  F.RO w0.15: v2(121.8,58.34) 121.6,58.54 U2.54
  B2.RO w0.15: v2(121.8,58.34) 121.81,58.33 R131.1
Net-(R138-Pad1): length 2.6
  F.RO w0.3: 113.71,121.09 112.43,121.09 112.27,121.25 111.17,121.25
Net-(R140-Pad2): length 2.3
  F.RO w0.3: U81.2 R140.2
  F.RO w0.4: R140.2 R142.2
Net-(R141-Pad2): length 2.3
  F.RO w0.3: R141.2 U82.2
  F.RO w0.4: R141.2 R153.2
Net-(R143-Pad1): length 3.8
  F.RO w0.3: U76.2 52.96,112.14 52.81,111.99 R144.2
  F.RO w0.4: R143.1 R144.2
Net-(R145-Pad2): length 1.7
  F.RO w0.5: R145.2 57.83,119.96 57.51,120.28 U77.4
Net-(R146-Pad1): length 1.1
  F.RO w0.5: U77.16 R146.1
Net-(R147-Pad1): length 1.1
  F.RO w0.5: U77.13 R147.1
Net-(R148-Pad1): length 3.7
  F.RO w0.3: U78.2 119.4,112.14 119.27,112 R149.2
  F.RO w0.4: 119.26,110.21 R148.1
Net-(R150-Pad2): length 1.7
  F.RO w0.5: R150.2 124.29,119.97 123.96,120.28 123.96,120.7
Net-(R151-Pad1): length 1.1
  F.RO w0.5: 121.95,121.22 R151.1
Net-(R152-Pad1): length 1.1
  F.RO w0.5: 121.95,122.72 R152.1
Net-(R154-Pad1): length 5.1
  F.RO w0.25: 36.89,144.88 36.89,143.49 U85.5
  F.RO w0.3: 36.89,143.92 36.81,143.84 U85.5
  F.RO w0.5: 36.89,143.92 36.89,144.88 R154.1
  F.RO w0.79: R157.2 38.83,145.33 R154.1
Net-(R158-Pad1): length 3.8
  F.RO w0.25: U85.7 35.78,143.44 R158.1
  F.RO w0.5: 35.58,143.44 R158.1
Net-(R162-Pad1): length 1.9
  B2.RO w1: U86.5 22.82,152.77 R162.1
Net-(R175-Pad2): length 4.4
  B2.RO w0.2: U24.3 133.86,6.63 133.05,7.44 133.05,7.87 133.4,8.22 133.84,8.22 134.15,8.53 R175.2
